# KiCad board motordecoder2-roomlight.kicad_pcb
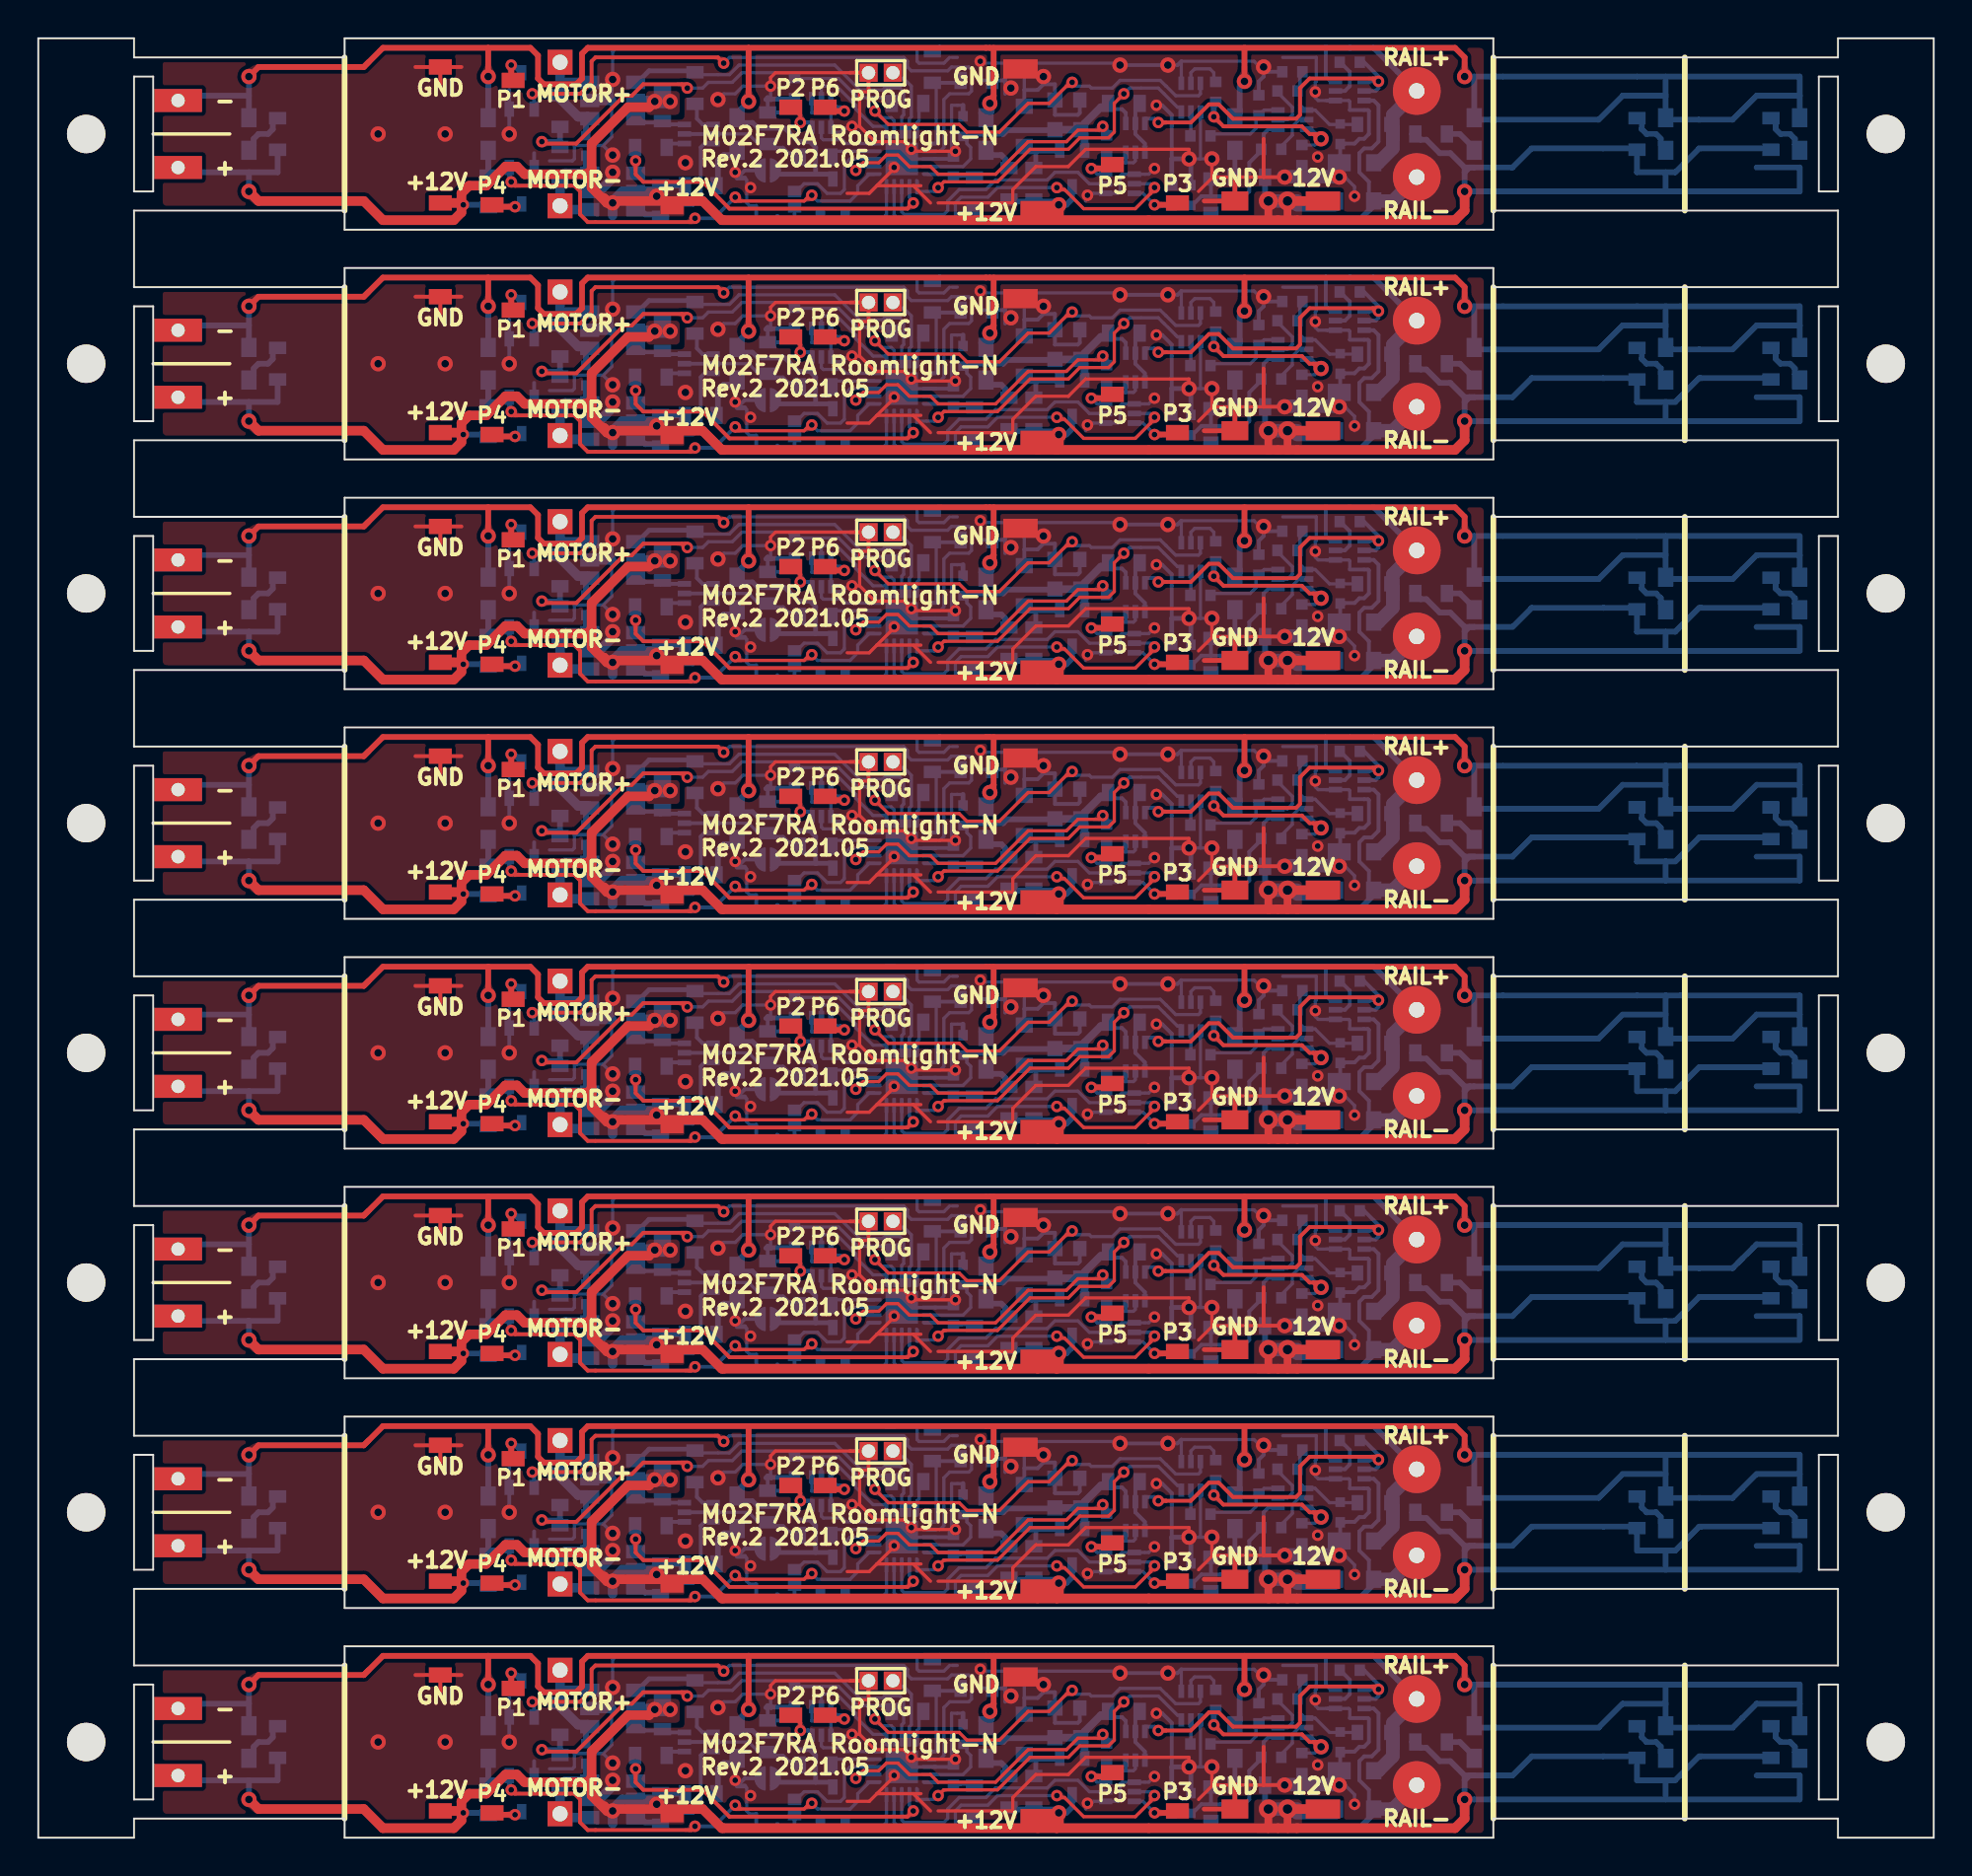
[diagram p0: board, top side]
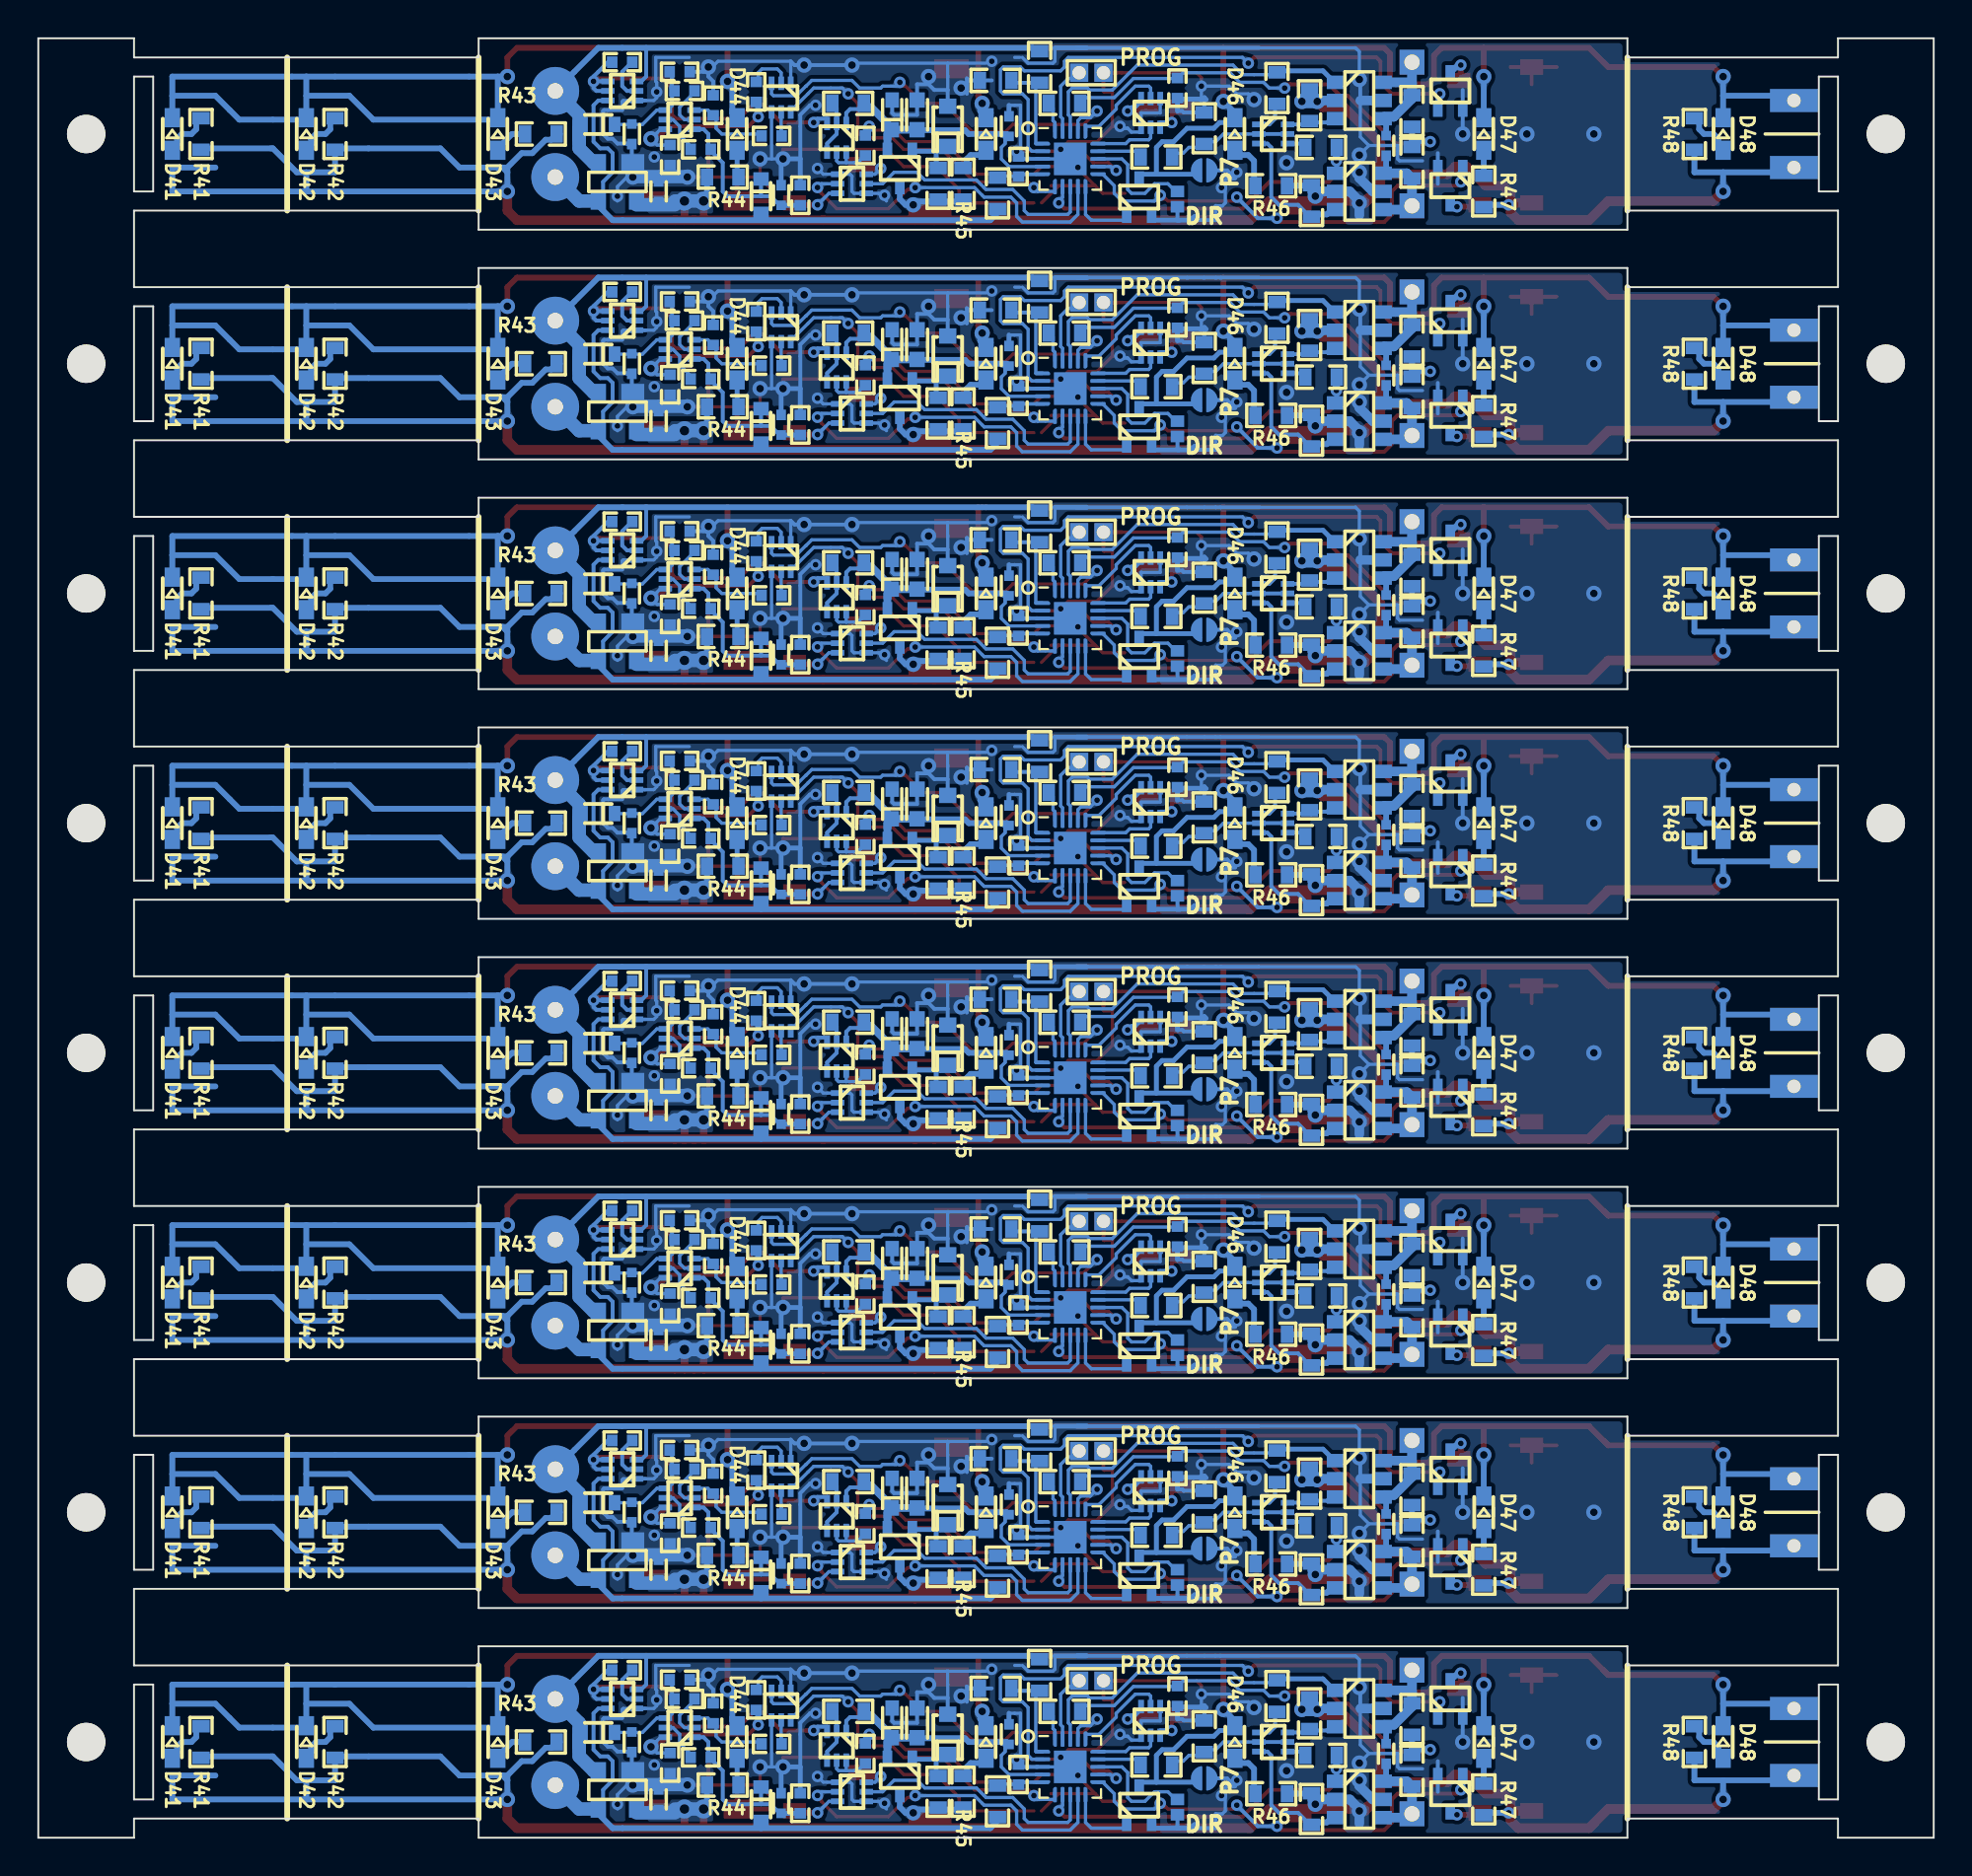
[diagram p1: board, bottom side, seen from below]

Outline 99 x 94 mm; copper layers: Top, Bottom. Coordinates in mm from the lower left corner of the outline.
Outline path: 0,94 5,94 5,93 16,93 16,94 76,94 76,93 94,93 94,94 99,94 99,0 94,0 94,1 76,1 76,0 16,0 16,1 5,1 5,0 0,0 0,94 ; 5,92 5,86 6,86 6,92 5,92 ; 5,85 5,81 16,81 16,82 76,82 76,81 94,81 94,85 76,85 76,84 16,84 16,85 5,85 ; 5,80 5,74 6,74 6,80 5,80 ; 5,73 5,69 16,69 16,70 76,70 76,69 94,69 94,73 76,73 76,72 16,72 16,73 5,73 ; 5,68 5,62 6,62 6,68 5,68 ; 5,61 5,57 16,57 16,58 76,58 76,57 94,57 94,61 76,61 76,60 16,60 16,61 5,61 ; 5,56 5,50 6,50 6,56 5,56 ; 5,49 5,45 16,45 16,46 76,46 76,45 94,45 94,49 76,49 76,48 16,48 16,49 5,49 ; 5,44 5,38 6,38 6,44 5,44 ; 5,37 5,33 16,33 16,34 76,34 76,33 94,33 94,37 76,37 76,36 16,36 16,37 5,37 ; 5,32 5,26 6,26 6,32 5,32 ; 5,25 5,21 16,21 16,22 76,22 76,21 94,21 94,25 76,25 76,24 16,24 16,25 5,25 ; 5,20 5,14 6,14 6,20 5,20 ; 5,13 5,9 16,9 16,10 76,10 76,9 94,9 94,13 76,13 76,12 16,12 16,13 5,13 ; 5,8 5,2 6,2 6,8 5,8 ; 93,92 93,86 94,86 94,92 93,92 ; 93,80 93,74 94,74 94,80 93,80 ; 93,68 93,62 94,62 94,68 93,68 ; 93,56 93,50 94,50 94,56 93,56 ; 93,44 93,38 94,38 94,44 93,44 ; 93,32 93,26 94,26 94,32 93,32 ; 93,20 93,14 94,14 94,20 93,20 ; 93,8 93,2 94,2 94,8 93,8

## Placement (name value [footprint] x y rotation side)
C1  104  [C_1005_v2]  66.6 86 90 bottom
C1#2  104  [C_1005_v2]  66.6 74 90 bottom
C1#3  104  [C_1005_v2]  66.6 62 90 bottom
C1#4  104  [C_1005_v2]  66.6 50 90 bottom
C1#5  104  [C_1005_v2]  66.6 38 90 bottom
C1#6  104  [C_1005_v2]  66.6 26 90 bottom
C1#7  104  [C_1005_v2]  66.6 14 90 bottom
C1#8  104  [C_1005_v2]  66.6 2 90 bottom
C3  226  [C_1608]  53.1 90 90 bottom
C3#2  226  [C_1608]  53.1 78 90 bottom
C3#3  226  [C_1608]  53.1 66 90 bottom
C3#4  226  [C_1608]  53.1 54 90 bottom
C3#5  226  [C_1608]  53.1 42 90 bottom
C3#6  226  [C_1608]  53.1 30 90 bottom
C3#7  226  [C_1608]  53.1 18 90 bottom
C3#8  226  [C_1608]  53.1 6 90 bottom
C4  476  [CP_1608]  54.4 90 90 bottom
C4#2  476  [CP_1608]  54.4 78 90 bottom
C4#3  476  [CP_1608]  54.4 66 90 bottom
C4#4  476  [CP_1608]  54.4 54 90 bottom
C4#5  476  [CP_1608]  54.4 42 90 bottom
C4#6  476  [CP_1608]  54.4 30 90 bottom
C4#7  476  [CP_1608]  54.4 18 90 bottom
C4#8  476  [CP_1608]  54.4 6 90 bottom
C5  104  [C_1005_v2]  48.3 89.4 90 bottom
C5#2  104  [C_1005_v2]  48.3 77.4 90 bottom
C5#3  104  [C_1005_v2]  48.3 65.4 90 bottom
C5#4  104  [C_1005_v2]  48.3 53.4 90 bottom
C5#5  104  [C_1005_v2]  48.3 41.4 90 bottom
C5#6  104  [C_1005_v2]  48.3 29.4 90 bottom
C5#7  104  [C_1005_v2]  48.3 17.4 90 bottom
C5#8  104  [C_1005_v2]  48.3 5.4 90 bottom
C7  182  [C_1005_v2]  28.6 88.39 270 bottom
C7#2  182  [C_1005_v2]  28.6 76.39 270 bottom
C7#3  182  [C_1005_v2]  28.6 64.39 270 bottom
C7#4  182  [C_1005_v2]  28.6 52.39 270 bottom
C7#5  182  [C_1005_v2]  28.6 40.39 270 bottom
C7#6  182  [C_1005_v2]  28.6 28.39 270 bottom
C7#7  182  [C_1005_v2]  28.6 16.39 270 bottom
C7#8  182  [C_1005_v2]  28.6 4.39 270 bottom
C11  105  [C_1005_v2]  68 89 270 bottom
C11#2  105  [C_1005_v2]  68 77 270 bottom
C11#3  105  [C_1005_v2]  68 65 270 bottom
C11#4  105  [C_1005_v2]  68 53 270 bottom
C11#5  105  [C_1005_v2]  68 41 270 bottom
C11#6  105  [C_1005_v2]  68 29 270 bottom
C11#7  105  [C_1005_v2]  68 17 270 bottom
C11#8  105  [C_1005_v2]  68 5 270 bottom
C12  105  [C_1005_v2]  60.2 85.8 90 bottom
C12#2  105  [C_1005_v2]  60.2 73.8 90 bottom
C12#3  105  [C_1005_v2]  60.2 61.8 90 bottom
C12#4  105  [C_1005_v2]  60.2 49.8 90 bottom
C12#5  105  [C_1005_v2]  60.2 37.8 90 bottom
C12#6  105  [C_1005_v2]  60.2 25.8 90 bottom
C12#7  105  [C_1005_v2]  60.2 13.8 90 bottom
C12#8  105  [C_1005_v2]  60.2 1.8 90 bottom
D1  BAS3007  [SOT-143]  68.75 86.5 0 bottom
D1#2  BAS3007  [SOT-143]  68.75 74.5 0 bottom
D1#3  BAS3007  [SOT-143]  68.75 62.5 0 bottom
D1#4  BAS3007  [SOT-143]  68.75 50.5 0 bottom
D1#5  BAS3007  [SOT-143]  68.75 38.5 0 bottom
D1#6  BAS3007  [SOT-143]  68.75 26.5 0 bottom
D1#7  BAS3007  [SOT-143]  68.75 14.5 0 bottom
D1#8  BAS3007  [SOT-143]  68.75 2.5 0 bottom
D3  UDZV5.1B  [UMD2]  51.5 89.4 270 bottom
D3#2  UDZV5.1B  [UMD2]  51.5 77.4 270 bottom
D3#3  UDZV5.1B  [UMD2]  51.5 65.4 270 bottom
D3#4  UDZV5.1B  [UMD2]  51.5 53.4 270 bottom
D3#5  UDZV5.1B  [UMD2]  51.5 41.4 270 bottom
D3#6  UDZV5.1B  [UMD2]  51.5 29.4 270 bottom
D3#7  UDZV5.1B  [UMD2]  51.5 17.4 270 bottom
D3#8  UDZV5.1B  [UMD2]  51.5 5.4 270 bottom
D21  BAT43XV2  [EMD2_small]  69.75 89.5 180 bottom
D21#2  BAT43XV2  [EMD2_small]  69.75 77.5 180 bottom
D21#3  BAT43XV2  [EMD2_small]  69.75 65.5 180 bottom
D21#4  BAT43XV2  [EMD2_small]  69.75 53.5 180 bottom
D21#5  BAT43XV2  [EMD2_small]  69.75 41.5 180 bottom
D21#6  BAT43XV2  [EMD2_small]  69.75 29.5 180 bottom
D21#7  BAT43XV2  [EMD2_small]  69.75 17.5 180 bottom
D21#8  BAT43XV2  [EMD2_small]  69.75 5.5 180 bottom
D22  BAT43XV2  [EMD2]  61.25 85.75 90 bottom
D22#2  BAT43XV2  [EMD2]  61.25 73.75 90 bottom
D22#3  BAT43XV2  [EMD2]  61.25 61.75 90 bottom
D22#4  BAT43XV2  [EMD2]  61.25 49.75 90 bottom
D22#5  BAT43XV2  [EMD2]  61.25 37.75 90 bottom
D22#6  BAT43XV2  [EMD2]  61.25 25.75 90 bottom
D22#7  BAT43XV2  [EMD2]  61.25 13.75 90 bottom
D22#8  BAT43XV2  [EMD2]  61.25 1.75 90 bottom
D41  LED  [LED_1608]  92 89 270 bottom
D41#2  LED  [LED_1608]  92 77 270 bottom
D41#3  LED  [LED_1608]  92 65 270 bottom
D41#4  LED  [LED_1608]  92 53 270 bottom
D41#5  LED  [LED_1608]  92 41 270 bottom
D41#6  LED  [LED_1608]  92 29 270 bottom
D41#7  LED  [LED_1608]  92 17 270 bottom
D41#8  LED  [LED_1608]  92 5 270 bottom
D42  LED  [LED_1608]  85 89 270 bottom
D42#2  LED  [LED_1608]  85 77 270 bottom
D42#3  LED  [LED_1608]  85 65 270 bottom
D42#4  LED  [LED_1608]  85 53 270 bottom
D42#5  LED  [LED_1608]  85 41 270 bottom
D42#6  LED  [LED_1608]  85 29 270 bottom
D42#7  LED  [LED_1608]  85 17 270 bottom
D42#8  LED  [LED_1608]  85 5 270 bottom
D43  LED  [LED_1608]  75 89 270 bottom
D43#2  LED  [LED_1608]  75 77 270 bottom
D43#3  LED  [LED_1608]  75 65 270 bottom
D43#4  LED  [LED_1608]  75 53 270 bottom
D43#5  LED  [LED_1608]  75 41 270 bottom
D43#6  LED  [LED_1608]  75 29 270 bottom
D43#7  LED  [LED_1608]  75 17 270 bottom
D43#8  LED  [LED_1608]  75 5 270 bottom
D44  LED  [LED_1608]  62.5 89 270 bottom
D44#2  LED  [LED_1608]  62.5 77 270 bottom
D44#3  LED  [LED_1608]  62.5 65 270 bottom
D44#4  LED  [LED_1608]  62.5 53 270 bottom
D44#5  LED  [LED_1608]  62.5 41 270 bottom
D44#6  LED  [LED_1608]  62.5 29 270 bottom
D44#7  LED  [LED_1608]  62.5 17 270 bottom
D44#8  LED  [LED_1608]  62.5 5 270 bottom
D45  LED  [LED_1608]  49.5 89 270 bottom
D45#2  LED  [LED_1608]  49.5 77 270 bottom
D45#3  LED  [LED_1608]  49.5 65 270 bottom
D45#4  LED  [LED_1608]  49.5 53 270 bottom
D45#5  LED  [LED_1608]  49.5 41 270 bottom
D45#6  LED  [LED_1608]  49.5 29 270 bottom
D45#7  LED  [LED_1608]  49.5 17 270 bottom
D45#8  LED  [LED_1608]  49.5 5 270 bottom
D46  LED  [LED_1608]  36.5 89 270 bottom
D46#2  LED  [LED_1608]  36.5 77 270 bottom
D46#3  LED  [LED_1608]  36.5 65 270 bottom
D46#4  LED  [LED_1608]  36.5 53 270 bottom
D46#5  LED  [LED_1608]  36.5 41 270 bottom
D46#6  LED  [LED_1608]  36.5 29 270 bottom
D46#7  LED  [LED_1608]  36.5 17 270 bottom
D46#8  LED  [LED_1608]  36.5 5 270 bottom
D47  LED  [LED_1608]  23.5 89 270 bottom
D47#2  LED  [LED_1608]  23.5 77 270 bottom
D47#3  LED  [LED_1608]  23.5 65 270 bottom
D47#4  LED  [LED_1608]  23.5 53 270 bottom
D47#5  LED  [LED_1608]  23.5 41 270 bottom
D47#6  LED  [LED_1608]  23.5 29 270 bottom
D47#7  LED  [LED_1608]  23.5 17 270 bottom
D47#8  LED  [LED_1608]  23.5 5 270 bottom
D48  LED  [LED_1608]  11 89 270 bottom
D48#2  LED  [LED_1608]  11 77 270 bottom
D48#3  LED  [LED_1608]  11 65 270 bottom
D48#4  LED  [LED_1608]  11 53 270 bottom
D48#5  LED  [LED_1608]  11 41 270 bottom
D48#6  LED  [LED_1608]  11 29 270 bottom
D48#7  LED  [LED_1608]  11 17 270 bottom
D48#8  LED  [LED_1608]  11 5 270 bottom
J11  PAD  [PAD_1.2x0.8_SMD]  24.8 91.8 0 top
J11#2  PAD  [PAD_1.2x0.8_SMD]  24.8 79.8 0 top
J11#3  PAD  [PAD_1.2x0.8_SMD]  24.8 67.8 0 top
J11#4  PAD  [PAD_1.2x0.8_SMD]  24.8 55.8 0 top
J11#5  PAD  [PAD_1.2x0.8_SMD]  24.8 43.8 0 top
J11#6  PAD  [PAD_1.2x0.8_SMD]  24.8 31.8 0 top
J11#7  PAD  [PAD_1.2x0.8_SMD]  24.8 19.8 0 top
J11#8  PAD  [PAD_1.2x0.8_SMD]  24.8 7.8 0 top
J12  PAD  [PAD_1.2x0.8_SMD]  23.7 85.3 0 top
J12#2  PAD  [PAD_1.2x0.8_SMD]  23.7 73.3 0 top
J12#3  PAD  [PAD_1.2x0.8_SMD]  23.7 61.3 0 top
J12#4  PAD  [PAD_1.2x0.8_SMD]  23.7 49.3 0 top
J12#5  PAD  [PAD_1.2x0.8_SMD]  23.7 37.3 0 top
J12#6  PAD  [PAD_1.2x0.8_SMD]  23.7 25.3 0 top
J12#7  PAD  [PAD_1.2x0.8_SMD]  23.7 13.3 0 top